# KiCad board rome-arduino.kicad_pcb
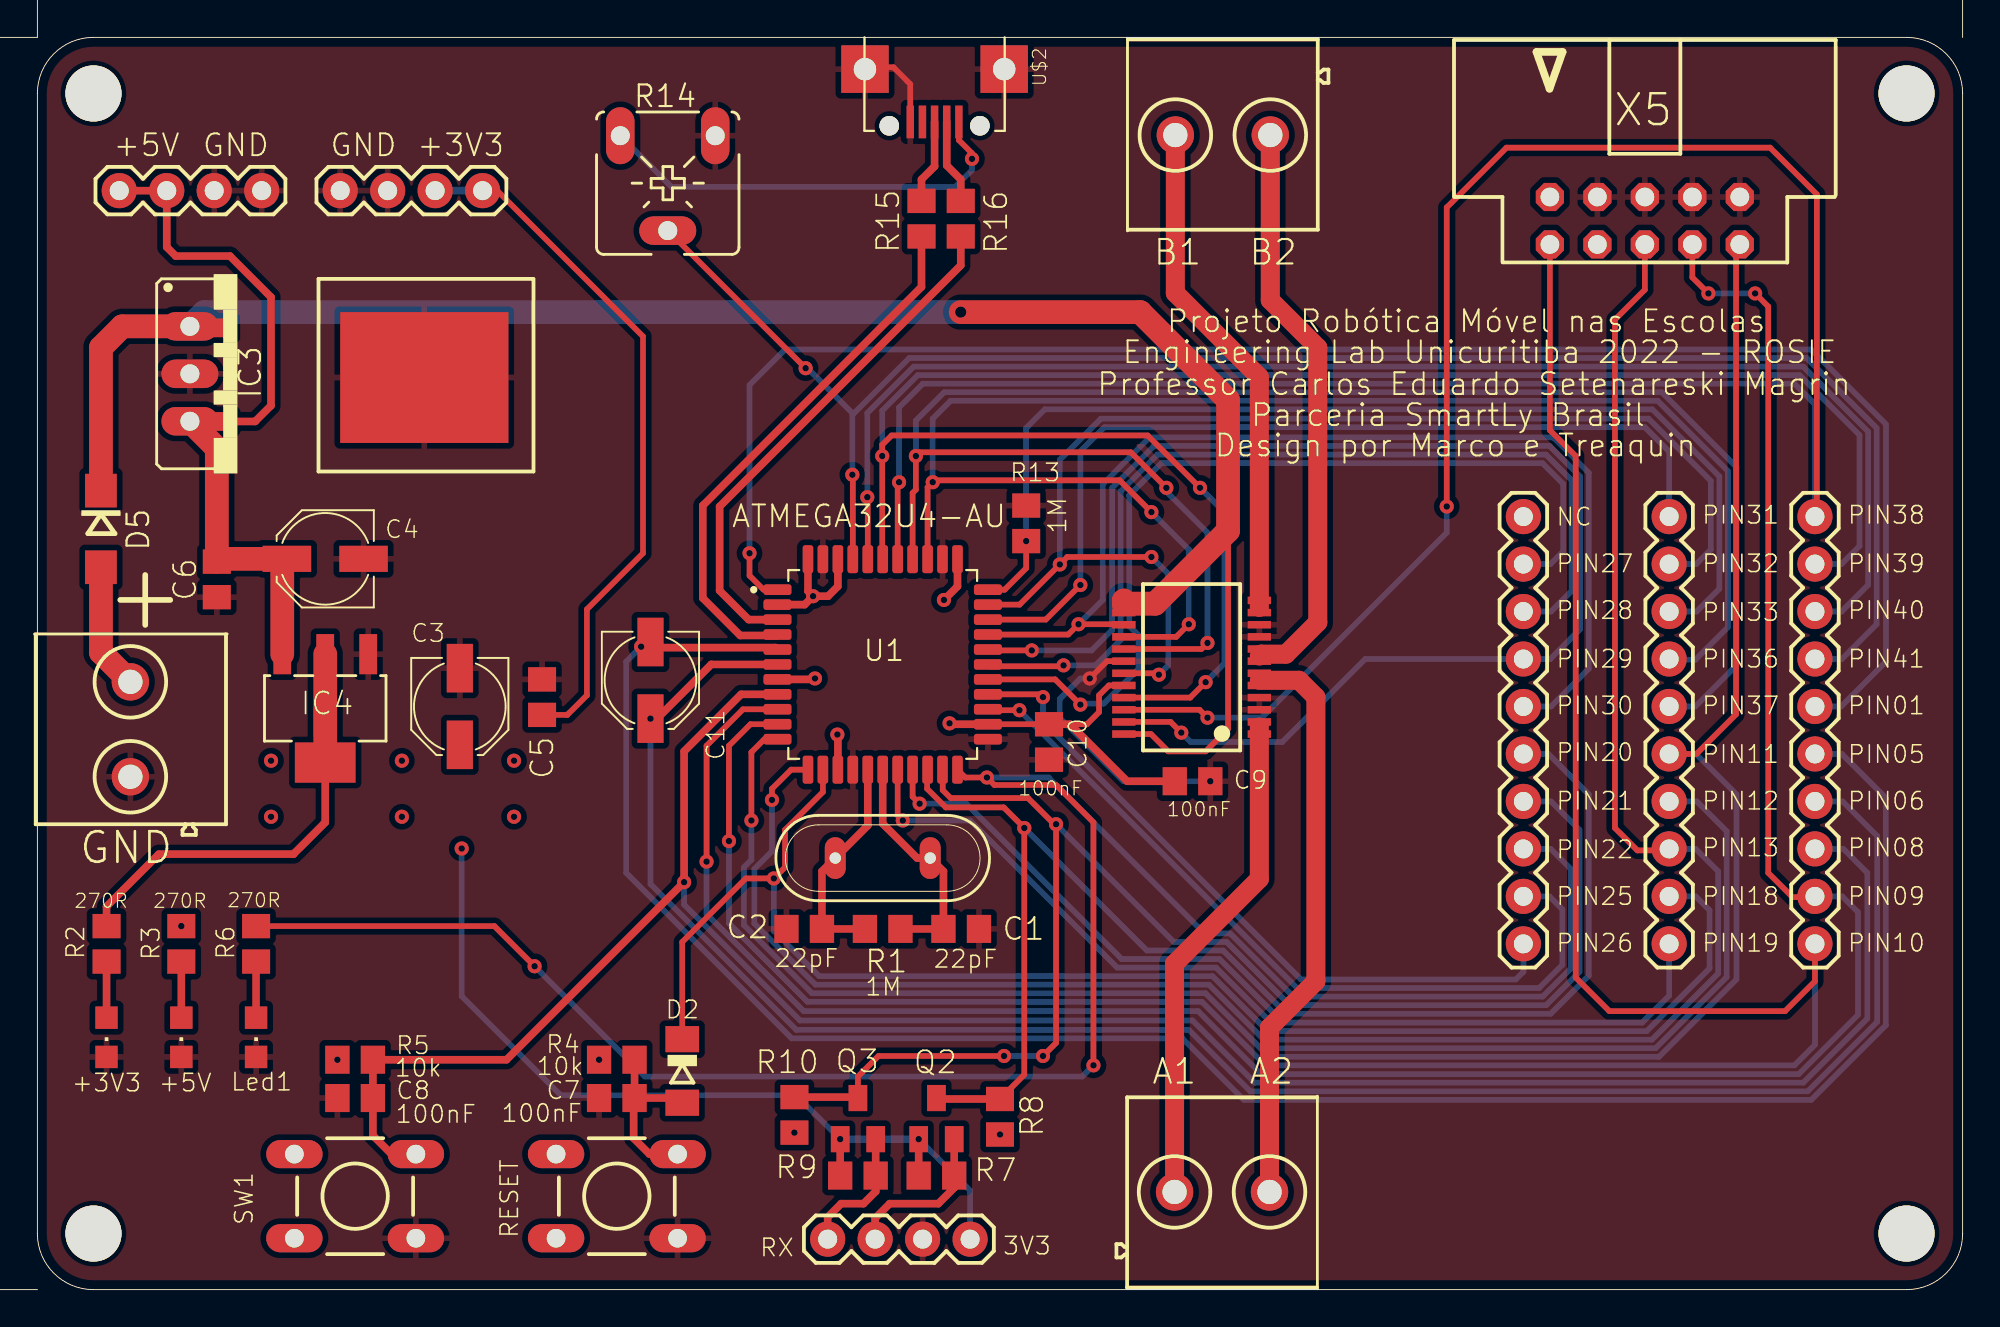
[diagram p0: board, top side]
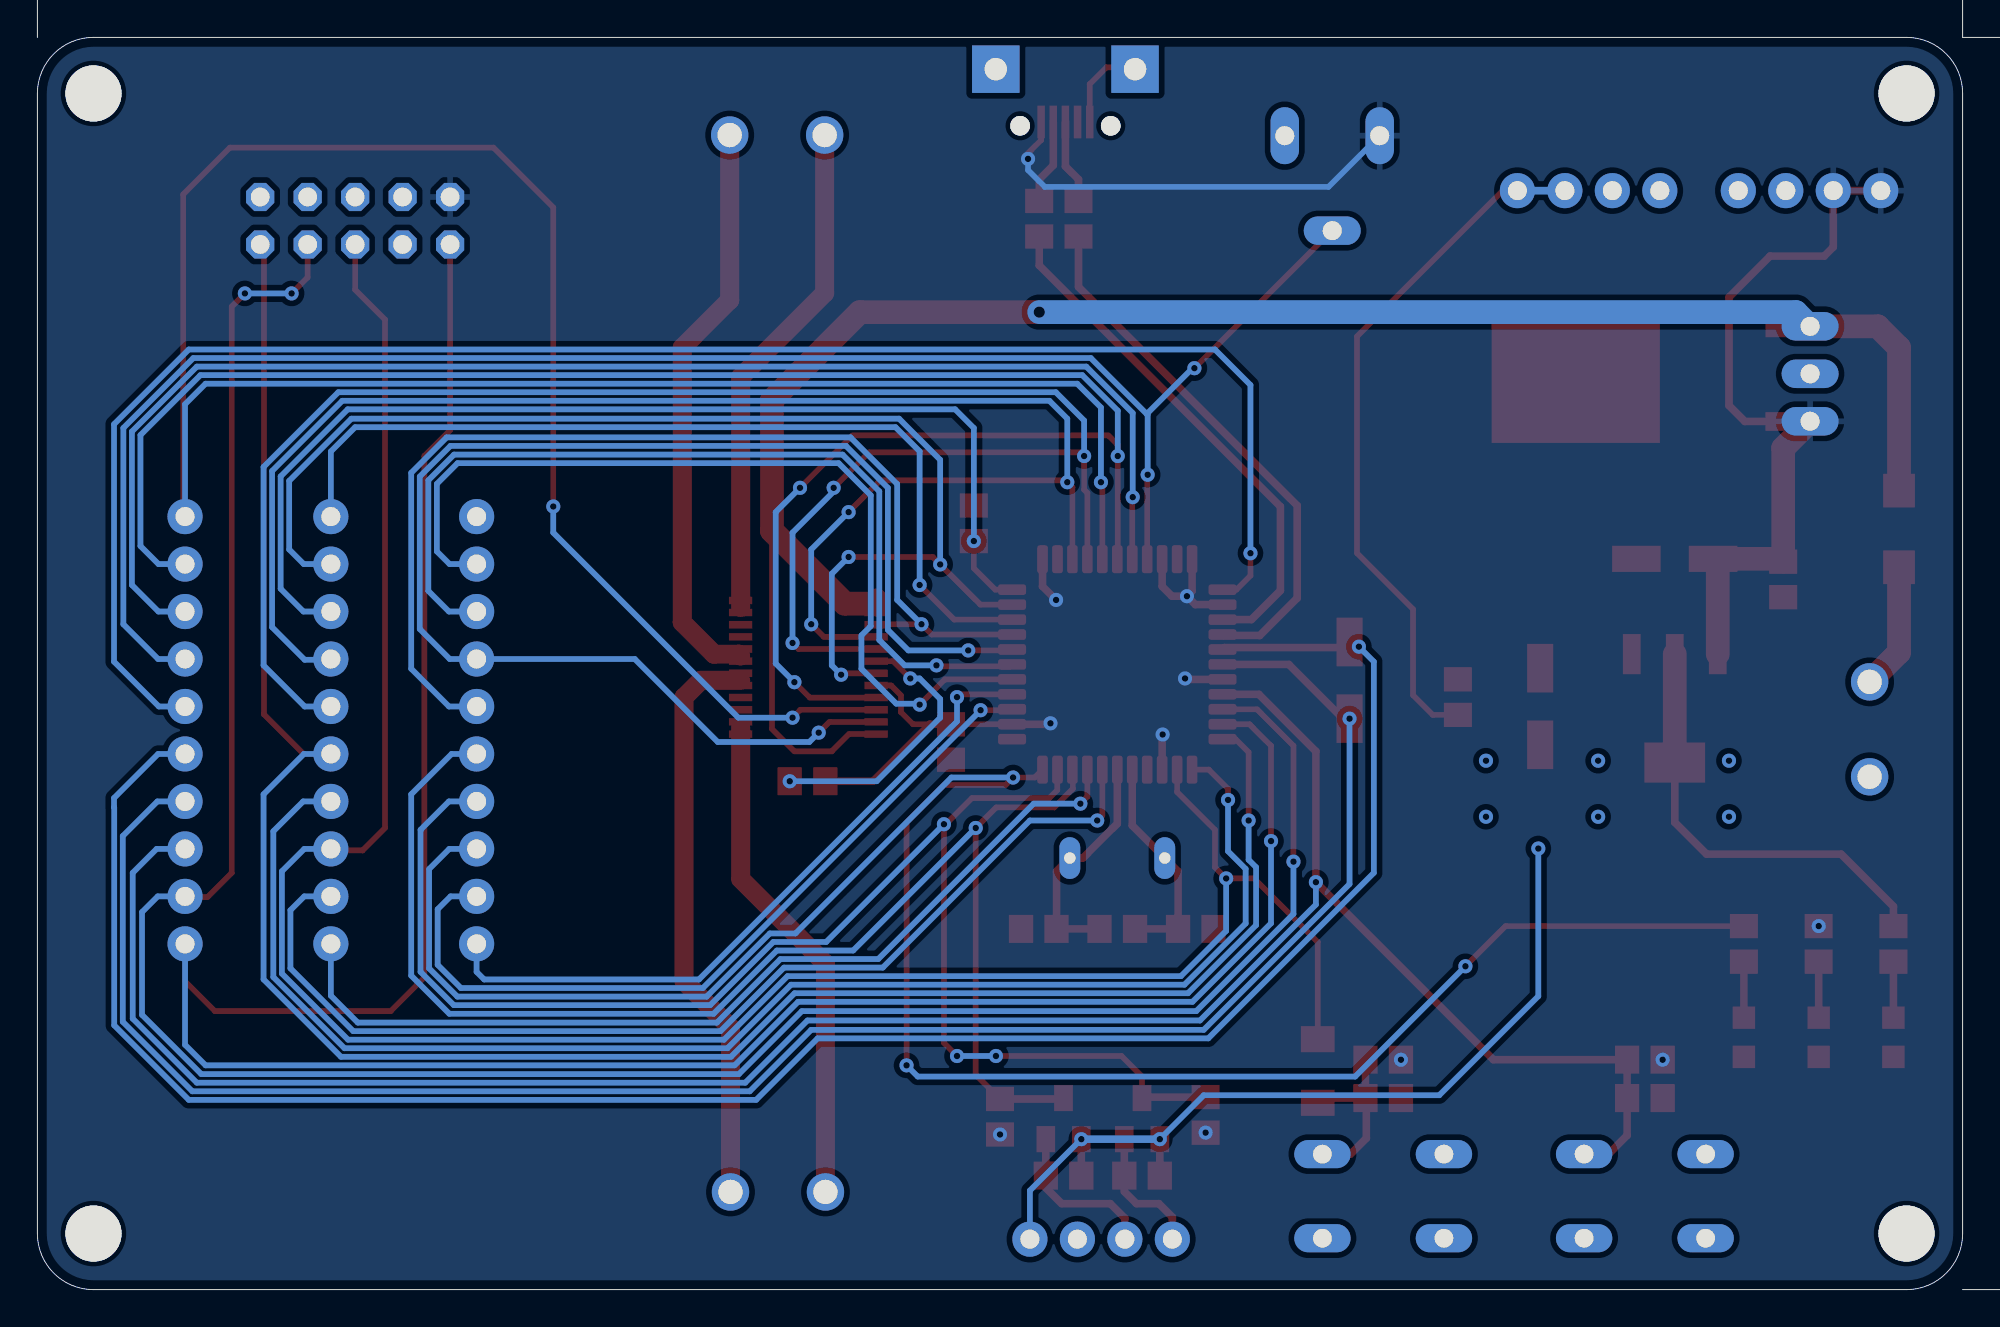
[diagram p1: board, bottom side, seen from below]

Outline 103 x 67 mm; copper layers: Top, Bottom. Coordinates in mm from the lower left corner of the outline.
Outline path: 0,64 0,3 arc(0.88,0.88) 3,0 100,0 arc(102.12,0.88) 103,3 103,64 arc(102.12,66.12) 100,67 3,67 arc(0.88,66.12) 0,64

## Placement (name value [footprint] x y rotation side)
C1  22pF  [C0805_334]  49.42 19.3 180 top
C2  22pF  [C0805_334]  41.03 19.3 0 top
C3  47uF  [PANASONIC_C_334]  22.6 31.2 270 top
C4  47uF  [PANASONIC_C_334]  15.4 39.1 180 top
C5  100nF  [C0805_334]  27 31.7 90 top
C6  100nF  [C0805_334]  9.6 38 270 top
C7  100nF  [C0805_334]  31 10.25 180 top
C8  100nF  [C0805_334]  17 10.25 180 top
C9  100nF  [C0805_334]  61.8 27.2 0 top
C10  100nF  [C0805_334]  54.12 29.3 270 top
C11  1uF  [PANASONIC_C_334]  32.8 32.6 270 top
D2  1N4148  [SOD80C_210]  34.5 11.7 270 top
D5  -  [DO214AC_210]  3.4 40.7 270 top
IC1  TB6612FNG  [SSOP24]  61.75 33.3 90 top
IC3  -  [78XXS_409]  10.7 49 270 top
IC4  LM1117MP-3.3  [SOT223]  15.4 31.1 180 top
J5  -  [1X04]  49.9 2.7 180 top
J6  -  [1X04]  12 58.8 180 top
J7  -  [1X04]  16.2 58.8 0 top
J10  -  [1X10]  79.5 18.5 90 top
J11  -  [1X10]  87.3 18.5 90 top
J12  -  [1X10]  95.1 18.5 90 top
LED1  RED  [CHIPLED_0805]  7.7 13.5 180 top
LED2  YELLOW  [CHIPLED_0805]  3.7 13.5 180 top
LED3  GREEN  [CHIPLED_0805]  11.7 13.5 180 top
Q1  16MHz  [QS_367]  45.23 23.09 180 top
Q2  BSS138  [SOT23]  48.1 9.15 0 top
Q3  BSS138  [SOT23]  43.9 9.15 0 top
R1  1M  [R0805_334]  45.23 19.3 0 top
R2  1k  [R0805_334]  3.7 18.5 90 top
R3  1k  [R0805_334]  7.7 18.5 90 top
R4  10k  [R0805_334]  31 12.3 180 top
R5  10k  [R0805_334]  17 12.3 180 top
R6  1k  [R0805_334]  11.7 18.5 90 top
R7  10k  [R0805_334]  48.1 6.1 180 top
R8  10k  [R0805_334]  51.5 9.25 270 top
R9  10k  [R0805_334]  43.9 6.1 180 top
R10  10k  [R0805_334]  40.5 9.35 270 top
R13  1M  [R0805_334]  52.9 41 270 top
R14  -  [CA6V_331]  33.73 59.2 180 top
R15  22R  [R0805_334]  47.3 57.3 270 top
R16  22R  [R0805_334]  49.4 57.3 270 top
S1  -  [DTS-6]  17 5 0 top
S2  -  [DTS-6]  31 5 0 top
U1  ATMEGA32U4-AU  [44-TQFP_14522412]  45.23 33.45 0 top
U$2  -  [MICRO-USB]  48 67 180 top
U$4  -  [DPACK]  17.2 50.8 270 top
UNK_HOLE_0  -  [dummyfp0]  3 3 0 top
UNK_HOLE_1  -  [dummyfp1]  3 64 0 top
UNK_HOLE_2  -  [dummyfp2]  100 64 0 top
UNK_HOLE_3  -  [dummyfp3]  100 3 0 top
X1  MKDSN1,5/2-5,08  [MKDSN1,5_2-5,08]  63.4 5.2 0 top
X3  MKDSN1,5/2-5,08  [MKDSN1,5_2-5,08]  63.4 61.8 180 top
X5  -  [057-010-0]  86 61 0 top
X6  MKDSN1,5/2-5,08  [MKDSN1,5_2-5,08]  5 30 90 top

## Footprints (pads in the part's own frame, mm; a bottom-side part is the same pattern mirrored in y, then rotated)
1X04
  round 1.88 hole 1.016: 1(0,0) 2(2.54,0) 3(5.08,0) 4(7.62,0)
1X10
  round 1.88 hole 1.016: 1(0,0) 2(2.54,0) 3(5.08,0) 4(7.62,0) 5(10.16,0) 6(12.7,0) 7(15.24,0) 8(17.78,0) 9(20.32,0) 10(22.86,0)
44-TQFP_14522412
  rrect 1.5x0.57 smd: 1(-5.63,4) 2(-5.63,3.2) 3(-5.63,2.4) 4(-5.63,1.6) 5(-5.63,0.8) 6(-5.63,0) 7(-5.63,-0.8) 8(-5.63,-1.6) 9(-5.63,-2.4) 10(-5.63,-3.2) 11(-5.63,-4) 23(5.63,-4) 24(5.63,-3.2) 25(5.63,-2.4) 26(5.63,-1.6) 27(5.63,-0.8) 28(5.63,0) 29(5.63,0.8) 30(5.63,1.6) 31(5.63,2.4) 32(5.63,3.2) 33(5.63,4)
  rrect 0.57x1.5 smd: 12(-4,-5.63) 13(-3.2,-5.63) 14(-2.4,-5.63) 15(-1.6,-5.63) 16(-0.8,-5.63) 17(0,-5.63) 18(0.8,-5.63) 19(1.6,-5.63) 20(2.4,-5.63) 21(3.2,-5.63) 22(4,-5.63) 34(4,5.63) 35(3.2,5.63) 36(2.4,5.63) 37(1.6,5.63) 38(0.8,5.63) 39(0,5.63) 40(-0.8,5.63) 41(-1.6,5.63) 42(-2.4,5.63) 43(-3.2,5.63) 44(-4,5.63)
057-010-0
  rrect 1.508x1.508 hole 1: 1(-5.08,-5.08) 2(-5.08,-2.54) 3(-2.54,-5.08) 4(-2.54,-2.54) 5(0,-5.08) 6(0,-2.54) 7(2.54,-5.08) 8(2.54,-2.54) 9(5.08,-5.08) 10(5.08,-2.54)
78XXS_409
  oval 1.524x3.048 hole 1.016: GND(0,-2.54) IN(-2.54,-2.54) OUT(2.54,-2.54)
C0805_334
  rect 1.3x1.5 smd: 1(-0.95,0) 2(0.95,0)
CA6V_331
  oval 1.524x3.048 hole 1.016: A(-2.54,-2.54) E(2.54,-2.54)
  oval 3.048x1.524 hole 1.016: S(0,2.54)
CHIPLED_0805
  rect 1.2x1.2 smd: A(0,-1.05) C(0,1.05)
DO214AC_210
  rect 1.8x1.7 smd: A(2.05,0) C(-2.05,0)
DPACK
  rect 1x1.6 smd: 1(-0.657,-7.455) 3(4.349,-7.451)
  rect 7x9 smd: 2(2,3.5)
DTS-6
  oval 3.016x1.508 hole 1: 1(-3.25,2.25) 2(3.25,2.25) 3(-3.25,-2.25) 4(3.25,-2.25)
dummyfp0
  round 3 hole 3 unplated: (0,0)
dummyfp1
  round 3 hole 3 unplated: (0,0)
dummyfp2
  round 3 hole 3 unplated: (0,0)
dummyfp3
  round 3 hole 3 unplated: (0,0)
MICRO-USB
  round 1.05 hole 1.05 unplated: (-2.425,4.73) (2.425,4.73)
  rect 0.4x1.75 smd: 1(-1.3,4.525) 2(-0.65,4.525) 3(0,4.525) 4(0.65,4.525) 5(1.3,4.525)
  rect 2.54x2.54 hole 1.2: GND1(-3.725,1.7) GND2(3.725,1.7)
MKDSN1,5_2-5,08
  round 2 hole 1.3: 1(-2.561,0.025) 2(2.519,0.025)
PANASONIC_C_334
  rect 2.6x1.4 smd: +(2.05,0) -(-2.05,0)
QS_367
  oval 1.118x2.235 hole 0.61: 1(-2.54,0) 2(2.54,0)
R0805_334
  rect 1.3x1.5 smd: 1(-0.95,0) 2(0.95,0)
SOD80C_210
  rect 1.4x1.8 smd: A(1.7,0) C(-1.7,0)
SOT23
  rect 1x1.4 smd: 1(-0.95,-1.1) 2(0.95,-1.1) 3(0,1.1)
SOT223
  rect 0.95x2.15 smd: 1(-2.3,-2.9) 2(0,-2.9) 3(2.3,-2.9)
  rect 3.25x2.15 smd: 4(0,2.9)
SSOP24
  rect 0.4x1.25 smd: 1(-3.575,-3.625) 2(-2.925,-3.625) 3(-2.275,-3.625) 4(-1.625,-3.625) 5(-0.975,-3.625) 6(-0.325,-3.625) 7(0.325,-3.625) 8(0.975,-3.625) 9(1.625,-3.625) 10(2.275,-3.625) 11(2.925,-3.625) 12(3.575,-3.625) 13(3.575,3.625) 14(2.925,3.625) 15(2.275,3.625) 16(1.625,3.625) 17(0.975,3.625) 18(0.325,3.625) 19(-0.325,3.625) 20(-0.975,3.625) 21(-1.625,3.625) 22(-2.275,3.625) 23(-2.925,3.625) 24(-3.575,3.625)

## Nets
+3V3: C3.+ C5.1 IC4.2 IC4.4 J5.1 J7.3 J7.4 Q2.1 Q3.1 R2.2 R7.2 R9.2
+5V: C4.+ C6.1 C9.1 C10.1 IC1.20 IC3.OUT IC4.3 J6.3 J6.4 R3.2 R4.2 R5.2 R8.2 R10.2 R14.E U1.2 U1.7 U1.14 U1.24 U1.34 U1.42 U1.44 U$2.1 U$4.3 X5.2
GND: C1.1 C2.1 C3.- C4.- C5.2 C6.2 C7.2 C8.2 C9.2 C10.2 IC1.3 IC1.4 IC1.9 IC1.10 IC1.18 IC3.GND IC4.1 J5.2 J6.1 J6.2 J7.1 J7.2 LED1.C LED2.C LED3.C R13.1 R14.A S1.4 S2.4 U1.15 U1.23 U1.35 U1.43 U$2.5 U$2.GND1 U$2.GND2 U$4.2 X5.4 X5.6 X5.8 X5.10 X6.1
ANALOG_PIN41: J12.7 R14.S U1.41
D+: R15.1 U$2.3
D+USB_PIN04: R15.2 U1.4
D-: R16.1 U$2.2
D-USB_PIN03: R16.2 U1.3
HB_AIN1_PIN39: IC1.21 J12.9 U1.39
HB_AIN2_PIN38: IC1.22 J12.10 U1.38
HB_AO1: IC1.1 IC1.2 X1.1
HB_AO2: IC1.5 IC1.6 X1.2
HB_BIN1_PIN37: IC1.17 J11.6 U1.37
HB_BIN2_PIN36: IC1.16 J11.7 U1.36
HB_BO1: IC1.11 IC1.12 X3.2
HB_BO2: IC1.7 IC1.8 X3.1
HB_PWMA_PIN29: IC1.23 J10.7 U1.29
HB_PWMB_PIN30: IC1.15 J10.6 U1.30
HB_STBY_PIN32: IC1.19 J11.9 U1.32
HWB_PIN33: J11.8 R13.2 U1.33
LED_PIN22: J10.3 R6.2 U1.22
MISO_PIN11: J11.5 U1.11 X5.9
MOSI_PIN10: J12.1 U1.10 X5.1
N$1: D5.A X6.2
N$11: LED1.A R3.1
N$12: LED2.A R2.1
N$14: C7.1 D2.A R4.1 S2.2
N$19: J10.10
N$20: LED3.A R6.1
PB4_PIN28: J10.8 U1.28
PC6_PIN31: J11.10 U1.31
PCINT7_PIN12: J11.4 U1.12
PD4_PIN25: J10.2 U1.25
PD6_PIN26: J10.1 U1.26
PD7_PIN27: J10.9 U1.27
PE6_PIN01: J12.6 U1.1
PF1_PIN40: J12.8 U1.40
RESET_PIN13: D2.C J11.3 U1.13 X5.5
RX_BT: J5.4 Q3.2 R9.1
RX_PIN20: J10.5 Q2.3 R8.1 U1.20
SCK_PIN09: J12.2 U1.9 X5.7
SCL_PIN18: J11.2 U1.18
SDA_PIN19: J11.1 U1.19
SW_PIN08: C8.1 J12.3 R5.1 S1.2 U1.8
TX_BT: J5.3 Q2.2 R7.1
TX_PIN21: J10.4 Q3.3 R10.1 U1.21
UCAP_PIN06: C11.+ J12.4 U1.6
UGND_PIN5: C11.- J12.5 U1.5
V+: D5.C IC1.13 IC1.14 IC1.24 IC3.IN U$4.1
XTAL1_PIN17: C1.2 Q1.1 R1.2 U1.17
XTAL2_PIN16: C2.2 Q1.2 R1.1 U1.16

Pads without a net: S1 1 3; S2 1 3; U$2 4; X5 3

## Via types
v1: diameter 0.756, hole 0.35, Top to Bottom, 69 vias
v2: diameter 1.006, hole 0.6, Top to Bottom, 1 via

## Routing (per net, layer and track width the routed paths; a pad name or vN(x,y) marks a point on that pad's centre or on a via; arc(x,y) is an arc through that point)
+3V3: length 107.2
  Top w0.305: J7.4 24.6,58.8 32.4,51 32.4,39.4 29.4,36.4 29.4,31.8 28.35,30.75 C5.1
  Top w0.406: IC4.4 15.4,25 13.7,23.3 6.5,23.3 3.7,20.5 R2.2 ; R9.2 v1(42.95,8.05) ; R7.2 v1(47.15,8.05)
  Top w1.27: IC4.2 IC4.4
  Bottom w0.305: v1(42.95,8.05) 40.6,10.4 28,10.4 22.7,15.7 v1(22.7,23.6) ; v1(47.15,8.05) 49.9,5.3 J5.1
  Bottom w0.406: J7.4 J7.3 ; v1(42.95,8.05) v1(47.15,8.05)
  vias: v1(12.5,28.3) v1(12.5,25.3) v1(19.5,28.3) v1(19.5,25.3) v1(25.5,28.3) v1(25.5,25.3)
+5V: length 92.6
  Top w0.305: IC1.20 57.33,32.33 56.8,31.8 56.8,30.9 56.15,30.25 55.25,30.25 ; v1(50,60.5) 50,60.8 49.3,61.5 U$2.1 ; U1.24 C10.1
  Top w0.406: U1.34 49.23,37.62 v1(48.5,36.9) ; U1.42 42.83,37.62 42.3,37.1 v1(41.5,37.1) ; v1(41.5,37.1) 41.23,37.38 U1.44 ; v1(41.5,37.1) 41.05,36.65 U1.2 ; v1(42.8,29.7) 42.83,29.68 U1.14 ; v1(48.8,30.3) 48.85,30.25 U1.24 ; v1(41.6,32.7) 41.55,32.65 U1.7 ; C9.1 58.3,27.2 55.25,30.25 C10.1 ; J6.4 J6.3 6.92,55.78 7.4,55.3 10.3,55.3 12.5,53.1 12.5,47.3 11.65,46.45 U$4.3
  Top w1.27: IC4.3 13.1,38.85 C4.+ 9.75,39.1 C6.1 9.6,45.02 IC3.OUT
  Bottom w0.305: v1(50,60.5) 50,59.9 49.1,59 33.92,59 R14.E
  vias: v1(7.7,19.45) v1(16.05,12.3) v1(30.05,12.3) v1(40.5,8.4) v1(51.5,8.3)
GND: length 19.6
  Top w0.305: U$2.5 46.7,64.5 45.8,65.4 44.38,65.4 U$2.GND2 ; v1(56.3,32.7) 57.23,33.62 IC1.18
  Bottom w0.305: v1(62.75,27.2) 58.1,27.2 54.7,30.6 54.7,31.6 55.8,32.7 v1(56.3,32.7)
ANALOG_PIN41: length 93.9
  Top w0.305: v1(43.6,43.6) 43.63,43.58 U1.41 ; v1(41.1,49.3) 33.74,56.66 R14.S
  Bottom w0.305: 43.65,46.85 41.2,49.3 v1(41.1,49.3) ; 43.65,46.85 46.64,49.84 94.66,49.84 98.4,46.1 98.4,35.6 96.54,33.74 J12.7 ; 43.65,46.85 43.6,46.8 v1(43.6,43.6)
D+: length 4.5
  Top w0.406: U$2.3 48,60.1 47.3,59.4 R15.1
D+USB_PIN04: length 29
  Top w0.406: U1.4 39.55,35 37.6,35 35.6,37 35.6,41.95 47.3,53.65 R15.2
D-: length 4.5
  Top w0.406: U$2.2 48.65,60.15 49.4,59.4 R16.1
D-USB_PIN03: length 28
  Top w0.406: R16.2 49.4,54.8 36.5,41.9 36.5,37.4 38.05,35.85 U1.3
HB_AIN1_PIN39: length 106.1
  Top w0.305: IC1.21 61.67,31.68 v1(62.5,32.5) ; U1.39 45.2,39.11 v1(45.2,44.6) 45.2,45.2 45.7,45.7 59.4,45.7 v1(62.2,42.9)
  Bottom w0.305: v1(62.2,42.9) 63.5,41.6 63.5,33.5 v1(62.5,32.5) ; J12.9 96.52,38.82 97.49,39.79 97.49,45.72 94.28,48.93 47.1,48.93 45.2,47.03 v1(45.2,44.6)
HB_AIN2_PIN38: length 142.5
  Top w0.305: J12.10 95.2,41.46 95.2,58.6 92.7,61.1 78.6,61.1 75.4,57.9 v1(75.4,41.9) ; IC1.22 62.17,31.03 v1(62.6,30.6) ; v1(46.1,43.2) 46.03,43.12 U1.38
  Bottom w0.305: J12.10 95.1,47.37 94,48.47 47.37,48.47 46.1,47.2 v1(46.1,43.2) ; v1(62.6,30.6) 65.5,30.6 75.4,40.5 v1(75.4,41.9)
HB_AO1: length 27.4
  Top w0.254: IC1.1 IC1.2
  Top w1.016: X1.1 60.84,17.44 65.38,21.98 65.38,30.1
HB_AO2: length 31.6
  Top w0.254: IC1.5 IC1.6
  Top w1.016: 65.38,32.6 67.5,32.6 68.4,31.7 68.4,16.5 65.92,14.02 X1.2
HB_BIN1_PIN37: length 96.9
  Top w0.305: IC1.17 62.28,34.28 v1(62.6,34.6) ; v1(60.4,42.9) 58.5,44.8 47.2,44.8 v1(47,44.6) 47,42.8 46.83,42.62 U1.37
  Bottom w0.305: J11.6 88.7,31.2 90.9,33.4 90.9,44.01 86.9,48.01 48.51,48.01 47,46.5 v1(47,44.6) ; v1(60.4,42.9) 60.4,42.7 62.6,40.5 v1(62.6,34.6)
HB_BIN2_PIN36: length 87.4
  Top w0.305: IC1.16 60.92,34.93 v1(61.6,35.6) ; v1(59.6,41.6) 57.9,43.3 48,43.3 v1(47.9,43.2) 47.63,42.93 U1.36
  Bottom w0.305: v1(61.6,35.6) 61.6,39.6 v1(59.6,41.6) ; J11.7 87.34,33.7 88.7,33.7 90.44,35.44 90.44,43.8 86.69,47.56 48.86,47.56 47.9,46.6 v1(47.9,43.2)
HB_BO1: length 27.8
  Top w0.203: IC1.11 IC1.12
  Top w1.016: X3.2 60.88,53.32 65.38,48.83 65.38,36.5
HB_BO2: length 31.6
  Top w0.254: IC1.8 IC1.7
  Top w1.016: 65.38,33.9 65.48,34 66.8,34 68.5,35.7 68.5,50.4 65.96,52.94 X3.1
HB_PWMA_PIN29: length 76.9
  Top w0.305: v1(61.2,29.8) 60.63,30.38 IC1.23 ; U1.29 50.91,34.2 v1(53.2,34.2)
  Bottom w0.305: v1(53.2,34.2) 56.4,34.2 57.5,35.3 57.5,42.9 59.74,45.14 80.9,45.14 82.54,43.5 82.54,35.34 80.94,33.74 J10.7 71.04,33.74 66.6,29.3 61.7,29.3 v1(61.2,29.8)
HB_PWMB_PIN30: length 58.2
  Top w0.305: IC1.15 58.1,35.6 v1(55.7,35.6) 55.15,35.05 U1.30
  Bottom w0.305: v1(55.7,35.6) 57,36.9 57,43.1 59.5,45.6 81.1,45.6 83,43.7 83,33.22 80.98,31.2 J10.6
HB_STBY_PIN32: length 67.5
  Top w0.305: v1(60,32.9) 59.92,32.98 IC1.19 ; U1.32 52.55,36.65 v1(54.7,38.8) 55.1,39.2 v1(59.6,39.2)
  Bottom w0.305: v1(59.6,39.2) 60.5,38.3 60.5,33.4 v1(60,32.9) ; v1(54.7,38.8) 54.7,44.4 56.9,46.6 86.2,46.6 89.53,43.27 89.53,39.6 88.75,38.82 J11.9
HWB_PIN33: length 58.2
  Top w0.305: U1.33 51.75,37.45 52.9,38.6 v1(52.9,40.05)
  Bottom w0.305: J11.8 88.77,36.28 89.99,37.5 89.99,43.51 86.4,47.1 53.9,47.1 52.9,46.1 v1(52.9,40.05)
LED_PIN22: length 114.9
  Top w0.305: R6.2 24.45,19.45 v1(26.6,17.3) ; U1.22 49.64,27.4 v1(50.8,27.4) 51.2,27 54.5,27 56.5,25 v1(56.5,12)
  Bottom w0.305: v1(50.8,27.4) 54.1,27.4 62.44,19.06 63.82,19.06 67.2,15.68 80.53,15.68 82.04,17.19 82.04,22.5 80.96,23.58 J10.3 ; v1(56.5,12) 55.9,11.4 32.5,11.4 v1(26.6,17.3)
MISO_PIN11: length 112.9
  Top w0.305: v1(38.2,25.1) 38.2,28.76 38.89,29.45 U1.11 ; J11.5 88.76,28.66 90.88,30.78 90.88,55.72 X5.9
  Bottom w0.305: v1(38.2,25.1) 38.2,23 37.8,22.6 37.8,19.5 41.44,15.86 62.49,15.86 65.89,12.46 86.76,12.46 90.9,16.6 90.9,26.5 88.74,28.66 J11.5
MOSI_PIN10: length 135.7
  Top w0.305: v1(37,24) 37,29.1 38.15,30.25 U1.10 ; X5.1 80.92,45.98 82.3,44.6 82.3,16.7 84.1,14.9 93.5,14.9 95.1,16.5 J12.1
  Bottom w0.305: v1(37,24) 37,19.6 41.2,15.4 62.3,15.4 65.7,12 94,12 95.1,13.1 J12.1
N$1: length 6.8
  Top w1.27: X6.2 3.4,34.09 D5.A
N$11: length 3
  Top w0.406: LED1.A R3.1
N$12: length 3
  Top w0.406: LED2.A R2.1
N$14: length 9.6
  Top w0.406: D2.A 34.25,10.25 C7.1 ; C7.1 R4.1 ; C7.1 31.9,10.2 31.9,8.1 32.75,7.25 S2.2
N$20: length 3
  Top w0.406: LED3.A R6.1
PB4_PIN28: length 50.2
  Top w0.305: U1.28 50.95,33.35 54.85,33.35 v1(54.9,33.4)
  Bottom w0.305: v1(54.9,33.4) 56.6,33.4 57.96,34.76 57.96,42.71 59.92,44.68 80.71,44.68 82.09,43.3 82.09,37.39 80.98,36.28 J10.8
PC6_PIN31: length 48.9
  Top w0.305: v1(55.8,37.7) 53.95,35.85 U1.31
  Bottom w0.305: J11.10 87.3,44.84 86,46.14 57.09,46.14 55.8,44.85 v1(55.8,37.7)
PCINT7_PIN12: length 77.8
  Top w0.305: U1.12 40.33,27.82 39.3,26.8 v1(39.3,26.2)
  Bottom w0.305: v1(39.3,26.2) 39.3,23.45 38.36,22.51 38.36,19.59 41.63,16.31 62.68,16.31 66.08,12.91 86.57,12.91 90.38,16.72 90.38,24.52 88.78,26.12 J11.4
PD4_PIN25: length 42.8
  Top w0.305: U1.25 50.91,31 v1(52.54,31)
  Bottom w0.305: J10.2 80.9,21.04 81.59,20.35 81.59,17.38 80.34,16.14 67.39,16.14 52.54,30.99 v1(52.54,31)
PD6_PIN26: length 37.4
  Top w0.305: U1.26 53.65,31.85 v1(53.8,31.7)
  Bottom w0.305: J10.1 79.5,18.5 79.5,17 79.09,16.59 67.61,16.59 53.8,30.4 v1(53.8,31.7)
PD7_PIN27: length 49.3
  Top w0.305: v1(55.8,31.3) 54.45,32.65 U1.27
  Bottom w0.305: v1(55.8,31.3) 55.85,31.35 57.05,31.35 58.91,33.21 58.91,35 58.41,35.5 58.41,42.5 60.13,44.22 80.52,44.22 81.63,43.11 81.63,39.5 80.95,38.82 J10.9
PE6_PIN01: length 92.7
  Top w0.305: U1.1 38.85,37.45 38.1,38.2 v1(38.1,39.4)
  Bottom w0.305: v1(38.1,39.4) 38.1,48.4 40,50.3 94.9,50.3 98.9,46.3 98.9,33.6 96.5,31.2 J12.6
PF1_PIN40: length 75.5
  Top w0.305: U1.40 44.42,42.38 v1(44.4,42.4)
  Bottom w0.305: J12.8 96.52,36.28 97.94,37.7 97.94,45.91 94.47,49.39 46.89,49.39 44.4,46.9 v1(44.4,42.4)
RESET_PIN13: length 119.5
  Top w0.305: X5.5 86,53.5 84.4,51.9 84.4,24.7 85.6,23.5 87.22,23.5 J11.3 ; U1.13 42.03,26.62 40,24.6 40,22.6 v1(39.4,22) 37.9,22 34.5,18.6 D2.C
  Bottom w0.305: J11.3 88.72,23.58 89.92,22.38 89.92,16.91 86.38,13.37 66.27,13.37 62.87,16.77 41.82,16.77 39.4,19.19 v1(39.4,22)
RX_BT: length 7.1
  Top w0.406: Q3.2 R9.1 44.85,5.25 44.2,4.6 43,4.6 42.28,3.88 J5.4
RX_PIN20: length 74.8
  Top w0.305: U1.20 47.6,27.8 47.6,26.8 48.6,25.8 51.7,25.8 v1(52.8,24.7) 52.8,11.5 R8.1
  Top w0.406: R8.1 48.15,10.2 Q2.3
  Bottom w0.305: v1(52.8,24.7) 59.36,18.14 63.44,18.14 66.82,14.76 80.96,14.76 83,16.8 83,26.5 80.84,28.66 J10.5
SCK_PIN09: length 128
  Top w0.305: J12.2 95.06,21 93.9,21 92.6,22.3 92.6,52.6 v1(91.9,53.3) ; v1(89.4,53.3) 88.54,54.16 X5.7 ; U1.9 37.75,31.05 35.8,29.1 v1(35.8,22.9)
  Bottom w0.305: v1(35.8,22.9) 35.8,20.1 41,14.9 62.1,14.9 65.47,11.53 94.23,11.53 97.4,14.7 97.4,20.2 96.56,21.04 J12.2 ; v1(89.4,53.3) v1(91.9,53.3)
SCL_PIN18: length 57.6
  Top w0.305: U1.18 46.03,25.38 v1(46.3,25.1)
  Bottom w0.305: J11.2 88.72,21.04 89.46,20.3 89.46,17.19 86.1,13.83 66.46,13.83 63.06,17.23 57.77,17.23 49.9,25.1 v1(46.3,25.1)
SDA_PIN19: length 50.3
  Top w0.305: U1.19 46.83,26.38 v1(47.2,26)
  Bottom w0.305: v1(47.2,26) 49.7,26 58.01,17.69 63.25,17.69 66.65,14.29 85.86,14.29 87.3,15.73 J11.1
SW_PIN08: length 121.9
  Top w0.406: v1(34.6,21.8) 34.6,28.8 37.65,31.85 U1.8 ; v1(34.6,21.8) 25.1,12.3 R5.1 C8.1 17.95,8.25 18.95,7.25 S1.2 ; v1(34.6,21.8) 34.6,22.1
  Bottom w0.305: v1(34.6,21.8) 34.6,20.6 40.8,14.4 61.8,14.4 65.13,11.07 94.47,11.07 97.9,14.5 97.9,22.3 96.62,23.58 J12.3
TX_BT: length 8.6
  Top w0.406: Q2.2 R7.1 49.05,5.45 48.2,4.6 45.6,4.6 44.82,3.82 J5.3
TX_PIN21: length 79.6
  Top w0.305: v1(53.8,12.5) 54.5,13.2 54.5,24.8 54.4,24.9 ; 54.4,24.9 v1(54.5,24.9) ; 54.4,24.9 53,26.3 48.86,26.3 48.44,26.73 48.44,27.81 U1.21 ; Q3.3 43.9,11.4 45,12.5 v1(51.72,12.5)
  Top w0.406: Q3.3 43.85,10.3 R10.1
  Bottom w0.305: v1(54.5,24.9) 60.8,18.6 63.63,18.6 67.01,15.22 80.72,15.22 82.5,17 82.5,24.6 80.98,26.12 J10.4 ; v1(51.72,12.5) v1(53.8,12.5)
UCAP_PIN06: length 102.6
  Top w0.406: U1.6 36.05,33.45 33.15,30.55 v1(32.8,30.55)
  Bottom w0.305: v1(32.8,30.55) 32.8,21.7 40.6,13.9 61.6,13.9 64.89,10.61 94.71,10.61 98.43,14.33 98.43,24.27 96.58,26.12 J12.4
UGND_PIN5: length 111
  Top w0.305: v1(32.3,34.4) 32.55,34.4 C11.-
  Top w0.406: C11.- 33.1,34.35 39.5,34.35 U1.5
  Bottom w0.305: v1(32.3,34.4) 31.5,33.6 31.5,22.3 40.36,13.44 61.26,13.44 64.55,10.15 94.9,10.15 98.89,14.14 98.89,25.79 98.9,25.8 98.9,26.3 96.54,28.66 J12.5
V+: length 104.4
  Top w0.305: 63.7,40.6 63.7,30 62.5,28.8 60.5,28.8 59.58,29.73 IC1.24 ; U$4.1 9.66,51.54 IC3.IN
  Top w0.406: IC1.13 IC1.14
  Top w1.27: IC3.IN 4.54,51.54 3.4,50.4 D5.C ; IC1.13 58.13,36.7 59.8,36.7 63.7,40.6 63.7,47.6 59,52.3 v2(49.4,52.3)
  Bottom w1.27: v2(49.4,52.3) 8.92,52.3 IC3.IN
XTAL1_PIN17: length 12.6
  Top w0.406: R1.2 C1.2 48.48,22.38 Q1.1 47.07,23.09 45.23,24.93 U1.17
XTAL2_PIN16: length 11.8
  Top w0.406: U1.16 44.42,24.83 Q1.2 41.98,22.38 C2.2 R1.1

## Copper pours and planes (outline as drawn; the poured copper is in the pictures)
+3V3 on Top: 29.13,21.87 10.87,21.87 10.87,31.13 29.13,31.13
+5V on Bottom: 103.13,-0.13 -0.13,-0.13 -0.13,67.13 103.13,67.13
GND on Top: 103.13,-0.13 -0.13,-0.13 -0.13,67.13 103.13,67.13

## Text on the board
F.Silkscreen: 270R | 100nF | +3V3 | +5V | Led1 | 10k | R5 | C8 | R4 | C7 | D2 | RX | 22pF | 1M | 3V3 | R13 | C9 | NC | PIN27 | PIN28 | PIN29 | PIN30 | PIN20 | PIN21 | PIN22 | PIN25 | PIN26 | PIN31 | PIN32 | PIN33 | PIN36 | PIN37 | PIN11 | PIN12 | PIN13 | PIN18 | PIN19 | PIN38 | PIN39 | PIN40 | PIN41 | PIN01 | PIN05 | PIN06 | PIN08 | PIN09 | PIN10 | R2 | R3 | R6 | SW1 | RESET | C10 | GND | C2 | ATMEGA32U4-AU | R1 | C1 | Professor Carlos Eduardo Setenareski Magrin | Engineering Lab Unicuritiba 2022 - ROSIE | Projeto Robótica Móvel nas Escolas | Design por Marco e Treaquin | Parceria SmartLy Brasil | A1 | B1 | B2 | A2 | +
